# Allegro board reComputer J401_V1.0.brd (continued)
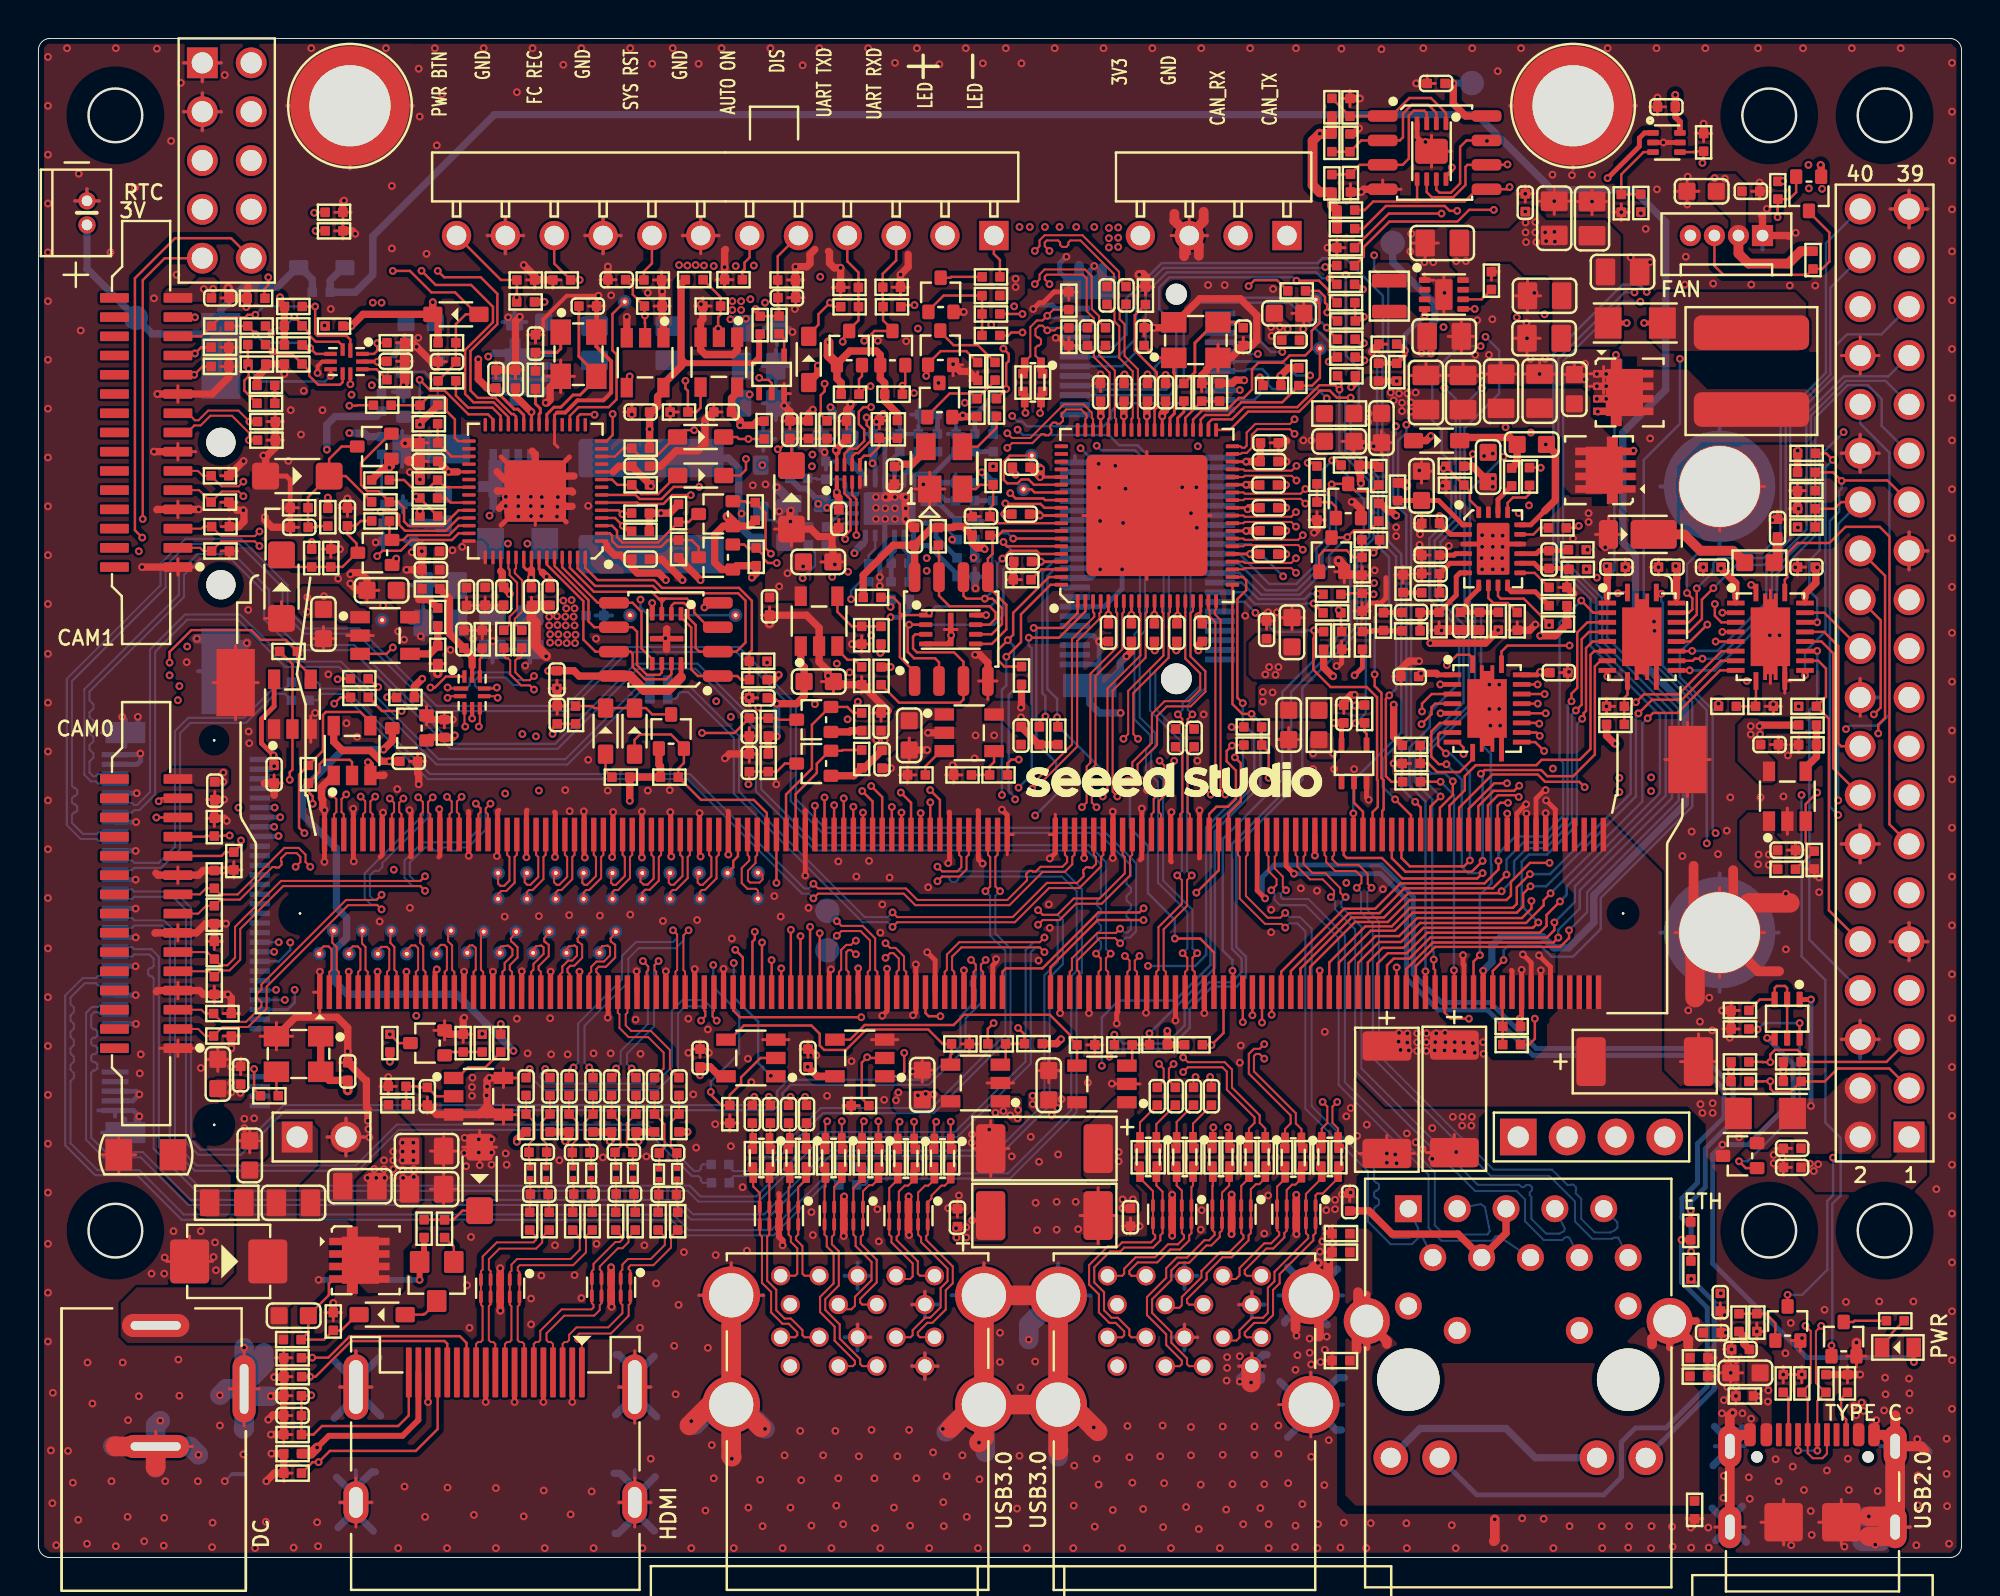
[diagram p0: board, top side]
## Copper pours and planes (outline as drawn; the poured copper is in the pictures) (continued)
GND on TOP: 21.81,18.4 20.69,18.4 20.31,18.78 20.31,22.21 19.95,22.56 19.95,23.32 20.21,23.58 20.61,23.58 20.89,23.3 22.21,23.3 22.34,23.43 22.34,24.87 22.75,25.28 23.41,25.28 23.68,25 23.68,22 24.88,20.81 24.88,20.45 24.65,20.23 22.39,20.23 22.03,19.87 22.03,18.63
GND on TOP: 64.91,58.22 64.4,58.22 64.22,58.05 64.22,56.9 64.35,56.78 64.99,56.78 65.11,56.9 65.11,58.02
GND on TOP: 48.2,17.94 47.26,17.94 47.1,18.09 47.1,18.57 48.02,19.49 48.02,23.02 48.27,23.27 48.27,24.01 48.02,24.26 47.13,24.26 46.72,24.67 42.68,24.67 42.35,25 42.35,27.36 42.63,27.64 45.88,27.64 46.58,26.94 46.58,25.47 46.85,25.2 48.98,25.2 49.21,24.98 50.66,24.98 50.86,25.18 50.86,26.12 50.99,26.25 51.68,26.25 51.83,26.4 51.83,27.08 51.9,27.16 52.36,27.16 52.49,27.03 52.49,26.47 53.2,25.76 53.2,25.33 53.4,25.13 55.82,25.13 56.02,24.92 56.91,24.92 57.06,24.77 57.06,24.44 56.96,24.34 53.4,24.34 53.15,24.59 51.29,24.59 51.07,24.37 49.42,24.37 49.34,24.29 49.34,22.97 50.15,22.16 52.41,22.16 53.43,21.14 53.43,19.87 54.29,19.01 55.51,19.01 55.82,18.7 55.82,17.94 56.07,17.69 57.39,17.69 57.52,17.56 57.52,17.1 57.21,16.8 51.73,16.8 51.5,17.03 51.5,19.11 50.81,19.79 49.11,19.79 48.4,19.08 48.4,18.14
GND on TOP: 67.83,51.34 69.2,51.34 69.35,51.49 69.35,52.03 69.71,52.38 70.19,52.38 70.45,52.64 70.45,53.7 70.65,53.91 71.92,53.91 72.17,53.65 72.17,53.42 72.3,53.3 73.04,53.3 73.37,52.97 73.77,52.97 73.93,52.81 77.36,52.81 77.61,53.07 77.99,53.07 78.12,53.19 80.15,53.19 80.45,53.5 80.45,54.54 80.63,54.72 81.67,54.72 82.05,54.34 82.05,52.48 81.83,52.26 81.42,52.26 80.86,52.81 78.37,52.81 78.14,52.59 73.9,52.59 73.8,52.48 72.3,52.48 72.17,52.36 72.17,51.06 71.97,50.86 70.62,50.86 70.37,50.6 67.8,50.6 67.6,50.81 67.6,51.11
GND on TOP: 88.4,2.27 89.27,3.13 89.27,4.17 89.45,4.35 95.8,4.35 96.58,5.14 96.58,6.03 96.99,6.43 99.55,6.43 99.73,6.26 99.73,0.54 99.45,0.26 8.93,0.26 8.7,0.49 8.7,1.81 9.11,2.22 14.52,2.22 14.72,2.42 14.72,3.66 15.3,4.25 30.42,4.25 34.58,8.41 36.92,8.41 38.04,7.3 47.05,7.3 48.25,8.49 48.25,13.14 49.8,14.69 52.95,14.69 54.29,13.34 54.29,8.21 55.21,7.3 63.39,7.3 64.96,8.87 64.96,14.21 66.99,16.24 66.99,16.92 67.14,17.08 67.4,17.08 67.53,16.95 67.53,2.73 67.98,2.27
GND on TOP: 21.81,49.56 21.98,49.74 24.24,49.74 24.4,49.59 24.4,49.31 23.61,48.52 23.61,48.01 23.43,47.84 22.92,47.84 22.69,47.61 22.41,47.61 21.81,48.22
GND on TOP: 74.64,20.28 74.89,20.53 74.89,22.97 74.71,23.15 69.63,23.15 69.13,23.65 68.21,23.65 67.78,23.22 67.78,22.77 68.24,22.31 68.24,20.45 68.41,20.28
GND on TOP: 28.38,52.64 23.74,52.64 23.02,53.35 23.02,57.89 23.13,58 27.67,58 28.18,57.49 28.18,55.53 28.76,54.95 28.76,53.02 ; 1 cut-out
GND on TOP: 65.75,48.45 63.66,48.45 63.39,48.72 63.39,49.64 63.72,49.97 65.54,49.97 65.9,49.61 65.9,48.6
GND on TOP: 65.65,42.86 64.71,42.86 64.43,42.58 64.43,40.57 64.68,40.32 66.69,40.32 67.17,40.8 68.85,40.8 68.95,40.7 68.95,39.45 69.05,39.35 69.25,39.35 69.38,39.48 69.38,41.18 69.23,41.33 65.98,41.33 65.8,41.51 65.8,42.7
GND on TOP: 16.17,51.44 16.04,51.32 16.04,50.4 16.52,49.92 16.75,49.92 17.41,49.26 17.41,48.34 17.31,48.24 15.66,48.24 15.51,48.39 14.03,48.39 12.92,49.51 12.33,49.51 11.75,50.1 11.75,51.57 10.76,52.56 9.84,52.56 9.71,52.43 9.71,52.08 9.33,51.7 6.57,51.7 6.21,51.34 6.21,41.49 6.46,41.23 11.57,41.23 12.46,42.12 15.35,42.12 15.56,41.92 15.56,41.79 15.66,41.69 15.89,41.69 16.27,42.07 16.27,43.72 16.04,43.95 15.25,43.95 14.79,44.41 14.79,45.5 16.04,46.74 16.04,47.53 16.17,47.66 17.31,47.66 17.46,47.51 19.93,47.51 20.1,47.68 20.1,48.19 19.98,48.32 18.86,48.32 18.48,48.7 18.48,49.38 18.12,49.74 17.72,49.74 17.49,49.97 17.49,50.73 17.67,50.91 20.03,50.91 20.21,51.09 20.21,52.56 20,52.76 19.6,52.76 18.94,52.1 18.94,51.37 18.76,51.19 17.89,51.19 17.64,51.44
GND on TOP: 65.34,63.13 65.34,65.23 64.96,65.62 63,65.62 62.65,65.97 57.7,65.97 56.93,66.73 56.93,67.39 56.55,67.77 56.55,67.83 56.98,67.83 57.04,67.77 58.56,67.77 59.09,68.31 59.09,68.89 59.42,69.22 60.21,69.22 60.57,68.87 60.57,68.08 60.87,67.77 65.67,67.77 65.7,67.75 65.7,67.65 65.11,67.06 65.11,66.48 66.18,65.41 66.18,64.07 65.93,63.81 65.93,63.1 65.82,63 65.47,63
GND on TOP: 81.57,78.72 77.66,78.72 76.47,77.53 76.47,71 76.8,70.67 77.63,70.67 78.35,69.96 81.47,69.96 82.59,68.84 82.59,67.19 82.87,66.91 84.82,66.91 85.15,67.24 85.15,69.07 86.12,70.04 86.12,72.09 85.81,72.4 84.16,72.4 83.78,72.02 83.78,69.58 83.65,69.45 83.04,69.45 82.92,69.58 82.92,70.09 82.82,70.19 82.08,70.19 81.88,70.39 81.88,73.01 83.12,74.25 83.12,77.17
GND on TOP: 95.49,9.41 95.82,9.74 97.62,9.74 97.73,9.63 97.73,7.75 97.37,7.4 96.07,7.4 95.74,7.07 95.74,5.98 95.62,5.85 95.31,5.85 95.16,6 95.16,7.25 95.49,7.58
GND on TOP: 90.49,21.5 90.89,21.5 91.05,21.34 91.05,20.12 90.92,20 90.16,20 90,20.15 90,21.01
GND on TOP: 45.3,40.29 43.88,40.29 43.62,40.55 43.62,41.13 43.78,41.28 44.41,41.28 44.82,41.69 44.82,42.32 44.92,42.43 45.5,42.43 46.27,43.19 50.2,43.19 50.86,42.53 51.24,42.53 51.35,42.43 51.35,42.07 51.27,41.99 50.69,41.99 50.25,42.43 49.01,42.43 48.88,42.3 48.88,41.43 48.65,41.21 48.07,41.21 47.84,40.98 47.84,40.39 47.64,40.19 47.28,40.19 47.13,40.34 47.13,41.21 47.41,41.49 47.66,41.49 47.79,41.61 47.79,42.48 47.69,42.58 46.54,42.58 46.44,42.48 46.44,41.89 45.45,40.9 45.45,40.44
GND on TOP: 89.93,71.74 89.45,71.74 89.27,71.56 89.27,68.61 89.52,68.36 89.9,68.36 90.11,68.56 90.11,71.56
GND on TOP: 88.51,8.03 88.51,10.24 88.3,10.45 88.3,11.01 87.97,11.34 87.97,12.89 87.79,13.06 87.39,13.06 87.26,12.94 87.26,11.28 86.58,10.6 86.58,9.2 86.75,9.02 87.06,9.02 87.34,8.74 87.34,7.4 87.49,7.25 88.43,7.25 88.71,6.97 88.71,5.95 88.79,5.87 89.19,5.87 89.29,5.98 89.29,7.25
GND on TOP: 12.71,59.24 12.2,59.24 12.08,59.11 12.08,57.84 11.77,57.54 10.81,57.54 10.32,57.06 10.32,56.65 10.43,56.55 10.96,56.55 11.09,56.42 11.09,54.95 10.58,54.44 10.58,53.91 10.68,53.8 10.86,53.8 11.06,54.01 11.67,54.01 12.18,53.5 13.07,53.5 13.35,53.78 13.35,57.77 13.52,57.94 14.13,57.94 14.21,58.02 14.21,58.58 14.06,58.73 12.97,58.73 12.81,58.88 12.81,59.14
GND on TOP: 68.36,17.86 67.37,17.86 67.2,18.04 67.2,18.73 67.53,19.06 68.29,19.06 68.52,18.83 68.52,18.02
GND on TOP: 14.03,78.72 19.42,78.72 20.23,77.91 20.23,73.62 18.71,72.09 13.8,72.09 12.66,73.24 12.66,77.35
GND on TOP: 78.65,30.28 76.54,30.28 76.42,30.41 76.42,31.4 76.59,31.58 78.5,31.58 78.75,31.33 78.75,30.39
GND on BOTTOM: 78.65,41.49 77.38,41.49 77.13,41.23 77.13,38.03 77.3,37.85 78.47,37.85 78.98,38.36 78.98,41.16
GND on BOTTOM: 45.99,58.15 43.14,58.15 42.91,58.38 42.91,59.8 42.58,60.13 41.03,60.13 40.83,59.93 40.83,59.11 41.16,58.78 41.16,57 41.03,56.88 40.17,56.88 39.97,57.08 39.97,58.68 39.69,58.96 38.54,58.96 38.16,58.58 38.16,57.74 37.99,57.56 36.79,57.56 36.61,57.74 36.61,58.33 37.76,59.47 37.76,67.57 37.38,67.95 33.31,67.95 32.75,67.39 32.75,65.41 33.49,64.68 33.49,63.91 33.18,63.61 32.04,63.61 30.64,65.01 25.51,65.01 25.16,64.65 25.16,63.84 24.65,63.33 22.06,63.33 21.58,63.81 21.58,71.58 24.02,74.02 47.36,74.02 48.75,72.63 48.75,67.9 49.24,67.42 55.28,67.42 55.69,67.01 55.69,65.84 55.49,65.64 52.46,65.64 52.08,65.26 52.08,61.35 51.65,60.92 48.4,60.92 47.61,60.13 47.61,59.32 48.02,58.91 48.02,58.45 47.87,58.3 47.38,58.3 47.23,58.45 47.23,59.72 47.03,59.93 46.24,59.93 46.06,59.75 46.06,58.22
GND on BOTTOM: 89.55,58.94 85.97,58.94 84.24,57.21 84.24,54.31 86.09,52.46 89.65,52.46 90.82,53.63 90.82,57.67
GND on BOTTOM: 65.75,16.44 51.85,16.44 51.4,16.9 51.4,19.18 58.33,26.12 59.35,26.12 60.26,27.03 60.26,28.38 60.95,29.06 64.68,29.06 64.99,28.76 64.99,22.16 66.61,20.53 66.61,17.3
GND on BOTTOM: 10.48,48.27 8.14,48.27 6.62,46.74 6.62,44.79 7.35,44.05 10.38,44.05 11.42,45.09 11.42,47.33
GND on BOTTOM: 24.12,54.01 24.22,53.91 27.14,53.91 27.34,54.11 27.34,55.4 27.16,55.58 24.29,55.58 24.12,55.4
GND on BOTTOM: 11.01,12.68 4.36,6.03 4.36,5.09 5.8,3.64 13.75,3.64 13.96,3.84 13.96,7.37 13.78,7.55 13.78,16.72 13.63,16.87 11.29,16.87 11.01,16.59
GND on BOTTOM: 5.27,41.69 3.44,41.69 3.31,41.82 3.31,43.77 3.54,44 5.22,44 5.42,43.8 5.42,41.84
GND on BOTTOM: 54.67,52.59 55,52.59 55.97,51.62 56.35,51.62 56.58,51.39 56.58,43.09 56.37,42.88 54.42,42.88 53.61,43.7 53.61,45.65 53.86,45.91 54.62,45.91 54.7,45.98 54.7,52.28 54.67,52.31 54.62,52.31 54.62,52.53
GND on BOTTOM: 4.61,23.3 3.49,23.3 3.36,23.17 3.36,21.88 3.59,21.65 5.14,21.65 5.5,22 5.5,29.32 5.35,29.47 4.79,29.47 4.69,29.37 4.69,27.85 3.57,27.85 3.47,27.74 3.47,27.57 4.69,26.35 4.69,23.38
GND on BOTTOM: 17.97,78.72 14.06,78.72 12.87,77.53 12.87,74.18 14.87,72.17 17.44,72.17 19.52,74.25 19.52,77.17
GND on BOTTOM: 60.46,56.01 59.45,56.01 59.24,55.81 59.24,54.69 60.06,53.88 60.06,53.55 60.21,53.4 60.44,53.4 60.64,53.6 60.64,55.84
GND on BOTTOM: 20.26,53.09 19.32,53.09 19.14,53.27 19.14,53.96 19.95,54.77 19.95,56.27 19.54,56.67 19.54,58.48 19.42,58.61 18.73,58.61 18.66,58.53 18.66,54.52 18.38,54.24 18.38,53.22 18.25,53.09 15.84,53.09 15.38,52.64 15.38,50.15 19.77,45.75 21.75,45.75 22.14,46.13 28.84,46.13 30.29,47.58 37.73,47.58 40.75,44.56 44.21,44.56 44.64,44.99 44.64,47.89 43.19,49.33 37.5,49.33 36.82,48.65 30.49,48.65 30.29,48.85 30.29,49.69 30.14,49.84 29.5,49.84 29.2,49.54 29.2,48.7 28.89,48.39 28.89,47.25 28.64,47 26.5,47 25.74,47.76 20.76,47.76 20.69,47.84 20.69,52.66
GND on BOTTOM, GND02, LAY3, LAY4: 81.57,78.72 77.66,78.72 76.47,77.53 76.47,74.18 78.47,72.17 81.04,72.17 83.12,74.25 83.12,77.17
GND on BOTTOM, GND02, LAY3, LAY4: 88.81,35.72 85.91,35.72 84.06,33.87 84.06,31.17 85.94,29.29 88.84,29.29 90.66,31.12 90.66,33.87
GND on GND02: 0.49,78.72 99.48,78.72 99.73,78.47 99.73,0.54 99.45,0.26 0.6,0.26 0.29,0.57 0.29,78.52 ; 1 cut-out
GND on GND02, LAY4: 90.16,59.7 86.14,59.7 84.21,57.77 84.21,53.37 85.41,52.18 89.78,52.18 91.1,53.5 91.1,58.76
GND on GND02, PWR05: 14.03,78.72 19.42,78.72 20.23,77.91 20.23,73.62 18.91,72.3 13.6,72.3 12.66,73.24 12.66,77.35
GND on LAY3: 70.09,36.81 66.41,36.81 63.89,34.3 63.89,33.03 66.61,30.31 69.25,30.31 70.29,31.35 70.29,36.61
GND on LAY3: 60.24,69.43 58.81,69.43 56.96,67.57 56.96,65.72 58.33,64.35 58.33,62.59 58.89,62.03 62.12,62.03 62.7,62.62 62.7,66.96
GND on LAY3: 33.54,39.28 28.43,39.28 28.13,38.97 28.13,33.84 28.33,33.64 33.87,33.64 34.56,34.32 34.56,38.26
GND on LAY3: 11.34,10.83 1.74,10.83 1.03,11.54 0.49,11.54 0.29,11.34 0.29,0.57 0.6,0.26 6.87,0.26 7.07,0.46 7.07,2.83 7.89,3.64 12.31,3.64 12.56,3.89 12.56,9.61
GND on LAY3: 88.51,58.4 86.17,58.4 84.31,56.55 84.31,53.96 85.79,52.48 88.71,52.48 90.23,54.01 90.23,56.67
GND on LAY3: 55.54,57.06 53.66,57.06 53.43,56.83 53.43,55.76 51.6,53.93 51.6,45.65 53.68,43.57 56.4,43.57 56.68,43.85 56.68,55.91
GND on LAY3: 20.38,78.72 14.19,78.72 12.74,77.27 12.74,73.69 13.19,73.24 21.02,73.24 22.26,74.48 22.26,76.84
GND on LAY4: 14.03,78.72 19.42,78.72 20.23,77.91 20.23,73.62 18.73,72.12 13.78,72.12 12.66,73.24 12.66,77.35
GND on PWR05: 82.46,78.72 77.38,78.72 76.26,77.6 76.26,74.53 78.14,72.65 83.76,72.65 84.11,73.01 84.11,77.07
GND on PWR05: 0.49,78.72 99.48,78.72 99.73,78.47 99.73,0.54 99.45,0.26 0.6,0.26 0.29,0.57 0.29,16.01 0.49,16.21 39.2,16.21 41.11,18.12 66.2,18.12 70.22,14.1 84.04,14.1 89.06,19.13 93.92,19.13 99.15,24.37 99.15,58.05 98.82,58.38 91.71,58.38 91.17,58.91 91.17,66.45 89.37,68.26 89.37,71.2 87.92,72.65 78.32,72.65 73.6,77.38 26.4,77.38 24.88,75.85 24.88,61.78 25.69,60.97 32.22,60.97 32.65,60.54 32.65,54.19 32.52,54.06 23.91,54.06 21.63,51.77 18.17,51.77 18.07,51.87 18.07,61.93 18.5,62.36 18.5,65.89 17.89,66.5 0.72,66.5 0.29,66.94 0.29,78.52
VDD_1V05 on TOP: 69.61,65.08 71.13,65.08 71.97,64.24 72.48,64.24 72.66,64.07 72.66,62.52 72.53,62.39 71.51,62.39 71.41,62.49 71.41,62.95 70.9,63.46 69.66,63.46 69.46,63.66 69.46,64.93
VDD_1V05 on TOP: 67.98,59.9 67.98,59.06 68.19,58.86 70.12,58.86 70.34,59.09 70.34,59.85 69.91,60.28 69.91,60.81 70.04,60.94 70.75,60.94 70.88,61.07 70.88,61.35 70.8,61.42 69.1,61.42 68.49,60.81 68.49,60.41
VDD_1V05 on PWR05: 72.58,62.87 69.2,62.87 68.8,62.47 68.8,58.88 69.02,58.66 69.96,58.66 70.12,58.81 70.12,60.69 70.32,60.89 72.43,60.89 72.71,61.17 72.71,62.75
VDD_1V05_HUB on TOP: 67.02,57.56 67.3,57.84 67.3,59.57 66.97,59.9 66.36,59.9 65.77,59.32 65.77,58.43 65.47,58.12 65.47,57.69 65.59,57.56
VDD_1V05_HUB on BOTTOM: 62.52,57.26 62.52,53.27 62.75,53.04 64.35,53.04 64.66,53.35 64.66,56.47 65.42,57.23 66.41,57.23 66.66,57.49 66.66,59.39 66.65,59.41 66.65,59.99 66.26,60.38 63.74,60.38 62.75,59.39 59.42,59.39 59.12,59.7 56.32,59.7 56.12,59.49 56.12,58.5 56.4,58.22 57.09,58.22 57.77,57.54 62.24,57.54
VDD_1V05_HUB on LAY4: 54.6,48.75 59.35,48.75 59.55,48.95 59.55,49.54 63.08,53.07 63.08,54.62 62.98,54.72 52.06,54.72 51.68,54.34 51.68,52.84 53.78,50.73 53.78,49.56
VDD_1V8 on TOP: 90.23,40.37 90.23,41.49 89.72,41.99 89.72,43.31 89.39,43.64 88.71,43.64 88.35,43.29 88.35,41.43 89.5,40.29 90.16,40.29
VDD_1V8 on TOP: 49.97,65.39 50.96,65.39 51.29,65.72 51.29,66.58 51.17,66.71 50.61,66.71 50.46,66.56 50.46,66.33 50.3,66.17 49.97,66.17 49.8,66 49.8,65.56
VDD_1V8 on LAY3: 81.55,44.53 82.41,45.4 82.41,50.38 82.05,50.73 81.57,50.73 81.29,51.01 81.29,51.82 81.62,52.15 88.99,52.15 90.54,53.7 90.54,71.94 91.25,72.65 93.18,72.65 93.94,71.89 93.94,43.11 89.7,38.87 82.18,38.87 81.55,39.5
VDD_1V8 on LAY4: 51.07,65.82 49.16,65.82 48.44,66.54 45.92,66.54 45.27,67.19 45.27,71.89 50.51,77.12 75.25,77.12 75.83,76.54 75.83,73.49 77.41,71.91 81.37,71.91 83.78,74.33 83.78,76.23 84.16,76.61 87.18,76.61 87.44,76.36 87.44,73.92 88.71,72.65 92.93,72.65 93.26,72.32 93.26,70.39 92.87,70.01 76.24,70.01 74.17,72.08 73.38,72.08 71.61,73.85 51.27,73.85 50.53,73.11 50.53,67.5 51.35,66.68 51.35,66.1
VDD_1V8 on LAY4: 67.14,43.11 66.84,43.42 66.84,46.11 67.09,46.36 68.52,46.36 70.01,47.86 70.78,47.86 72.12,49.21 74.51,49.21 77.51,46.21 77.51,41.97 78.7,40.77 84.14,40.77 84.39,40.52 84.39,39.02 82.89,37.52 74.89,37.52 73.49,38.92 73.49,46.59 73.29,46.79 72.61,46.79 72.28,46.46 72.28,45.85 69.53,43.11
VDD_3V3_DISCHG on BOTTOM: 20.99,64.55 20.46,64.55 20.26,64.35 20.26,62.16 20.43,61.98 21.02,61.98 21.17,62.14 21.17,64.37
VDD_3V3_HDMI on TOP: 47.41,44.2 44.69,44.2 44.46,43.97 44.46,43.64 44.11,43.29 42.73,43.29 42.58,43.14 42.58,42.7 42.73,42.55 43.19,42.55 43.45,42.3 43.45,41.92 43.62,41.74 44.28,41.74 44.59,42.04 44.59,42.73 44.97,43.11 45.83,43.11 46.27,43.54 47.38,43.54 47.59,43.75 47.59,44.03
VDD_3V3_HUB on TOP: 66.76,45.42 63.56,45.42 63.41,45.27 63.41,44.03 63.79,43.64 66.84,43.64 67.02,43.82 67.02,45.17
VDD_3V3_HUB on BOTTOM: 52.23,51.54 51.5,51.54 51.29,51.75 51.29,55.1 51.55,55.35 51.55,56.62 51.75,56.83 52.56,56.83 52.72,56.67 52.72,52.03
VDD_3V3_HUB on LAY3: 59.45,61.4 63.11,61.4 63.82,60.69 63.82,50.48 64.68,49.61 64.68,44.41 64.4,44.13 62.85,44.13 61.81,45.17 61.81,47.38 60.49,48.7 60.21,48.7 60.11,48.8 60.11,49.11 60.69,49.69 60.69,50.99 60.11,51.57 60.11,57.23 58.23,59.11 58.23,60.18 ; 1 cut-out
VDD_3V3_HUB on LAY4: 62.27,44.84 62.27,44.38 63.46,43.19 64.58,43.19 64.78,43.39 64.78,45.02 64.55,45.24 62.67,45.24
VDD_3V3_HUB on LAY4: 51.96,55.96 57.92,55.96 59.22,57.26 60.34,57.26 60.54,57.46 60.54,59.21 60.21,59.54 58.2,59.54 57.37,58.71 53.3,58.71 51.83,57.23 51.83,56.09
VDD_3V3_SYS on TOP: 65.34,47.78 64.38,47.78 64.2,47.96 63.33,47.96 62.93,47.56 62.93,45.93 63.18,45.68 65.44,45.68 65.57,45.8 65.57,47.56
VDD_3V3_SYS on TOP: 51.55,43.11 51.55,44.23 51.22,44.56 49.67,44.56 49.24,44.13 49.24,43.77 49.49,43.52 50.15,43.52 50.74,42.93 51.37,42.93
VDD_3V3_SYS on TOP: 77.15,70.19 77.76,70.19 78.4,69.55 81.47,69.55 82.28,68.74 82.28,63.23 82.03,62.97 79.21,62.97 78.73,63.46 78.73,66.4 78.45,66.68 77.28,66.68 76.57,67.39 75.3,67.39 75.17,67.27 75.17,65.97 74.99,65.79 73.85,65.79 73.8,65.84 73.8,66.02 73.85,66.07 74.38,66.07 74.41,66.1 74.41,66.28 74.38,66.3 73.88,66.3 73.8,66.38 73.8,66.89 73.49,67.19 73.49,68.79 73.7,68.99 76.49,68.99 77.05,69.55 77.05,70.09
VDD_3V3_SYS on TOP: 10.58,24.9 9.26,24.9 9,24.65 9,24.29 9.54,23.76 10.53,23.76 10.73,23.96 10.73,24.75
VDD_3V3_SYS on TOP: 96.3,20.63 96.63,20.96 96.63,22.44 96.86,22.66 97.95,22.66 98.21,22.41 98.21,19.9 97.32,19.01 92.44,19.01 91.4,20.05 91.4,20.53 91.5,20.63
VDD_3V3_SYS on TOP: 9.77,41.05 6.97,41.05 6.77,40.85 6.77,40.49 7.02,40.24 8.06,40.24 8.22,40.09 9.69,40.09 9.89,40.29 9.89,40.93
VDD_3V3_SYS on TOP: 64.76,63.08 63.99,63.08 63.77,63.3 63.77,64.9 64.02,65.16 64.63,65.16 64.73,65.06 64.73,64.47 65.16,64.04 65.16,63.76 64.91,63.51 64.91,63.23
VDD_3V3_SYS on TOP: 66.31,42.88 67.14,42.88 67.37,42.65 67.37,42.04 67.55,41.87 67.55,41.64 67.42,41.51 66.18,41.51 66.08,41.61 66.08,42.65
VDD_3V3_SYS on TOP: 6.82,65.31 8.98,65.31 9.23,65.56 9.23,65.77 9.31,65.84 9.31,66.4 9.13,66.58 8.34,66.58 7.78,66.02 6.72,66.02 6.57,65.87 6.57,65.56
VDD_3V3_SYS on TOP: 13.93,60.43 13.04,60.43 12.76,60.71 12.76,61.2 12.56,61.4 11.57,61.4 11.47,61.5 11.47,61.7 11.59,61.83 11.59,62.11 11.75,62.26 12.86,62.26 13.02,62.11 13.02,61.93 14.03,60.92 14.03,60.54
VDD_3V3_SYS on TOP: 90.03,38.74 88.89,38.74 88.45,38.31 88.45,36.33 89.24,35.54 90.44,35.54 90.64,35.75 90.64,37.17 90.28,37.52 90.28,38.49
VDD_3V3_SYS on BOTTOM: 19.34,63.91 18.15,63.91 17.18,64.88 17.18,65.31 17.33,65.46 18.12,65.46 18.91,64.68 19.32,64.68 19.47,64.52 19.47,64.04
VDD_3V3_SYS on BOTTOM: 78.7,66.5 73.62,66.5 70.27,69.86 59.85,69.86 57.85,67.85 50.99,67.85 50.58,68.26 50.58,73.57 51.5,74.48 74.56,74.48 79.36,69.68 79.36,67.16
VDD_3V3_SYS on BOTTOM: 62.29,64.07 60.82,64.07 60.74,64.14 60.74,64.27 60.82,64.35 62.24,64.35 62.27,64.37 62.27,64.52 62.24,64.55 60.79,64.55 60.69,64.65 60.69,64.96 60.74,65.01 64.96,65.01 65.32,64.65 65.32,63.28 65.09,63.05 63.89,63.05 63.44,63.51 62.85,63.51
VDD_3V3_SYS on BOTTOM: 13.04,41.94 10.07,41.94 9.77,41.64 9.26,41.64 9.11,41.49 9.11,37.73 9.77,37.07 12.92,37.07 13.32,37.47 13.32,41.66
VDD_3V3_SYS on BOTTOM: 61,46.84 62.24,46.84 62.29,46.9 62.29,47.02 62.27,47.05 60.82,47.05 60.72,47.15 60.72,47.25 60.79,47.33 64.45,47.33 64.63,47.15 64.63,45.75 64.5,45.63 61.68,45.63 60.9,46.41 60.9,46.74
VDD_3V3_SYS on BOTTOM: 11.77,24.62 10.98,24.62 10.65,24.95 9.77,24.95 9.61,24.8 9.61,23.76 10.25,23.12 11.77,23.12 11.92,23.27 11.92,23.55 11.85,23.63 11.01,23.63 10.98,23.65 10.98,23.86 11.01,23.88 11.82,23.88 11.9,23.96 11.9,24.06 11.82,24.14 11.01,24.14 10.98,24.16 10.98,24.34 11.01,24.37 11.77,24.37 11.85,24.44 11.85,24.54
VDD_3V3_SYS on LAY4: 62.17,46.77 64.5,46.77 64.71,46.57 64.71,45.85 64.48,45.63 62.09,45.63 61.91,45.8 61.91,46.51
VDD_3V3_SYS on LAY4: 70.32,67.85 51.12,67.85 50.79,68.18 50.79,73.01 51.37,73.59 71.51,73.59 73.27,71.84 74.03,71.84 76.16,69.7 79.11,69.7 79.39,69.43 79.39,67.55 79.08,67.24 70.93,67.24
VDD_3V3_SYS on PWR05: 58.28,69.43 56.35,69.43 56.17,69.25 56.17,68 56.63,67.55 58.25,67.55 58.51,67.8 58.51,69.2
VDD_3V3_SYS on PWR05: 1.03,65.31 1.03,20.91 2.27,19.67 5.04,19.67 6.62,18.09 6.62,16.87 7.02,16.47 39.05,16.47 41.03,18.45 66.48,18.45 70.4,14.54 83.78,14.54 88.79,19.54 93.26,19.54 98.89,25.18 98.89,57.41 98.26,58.05 91.38,58.05 91.17,57.84 91.17,48.29 88.58,45.7 88.58,26.5 87.44,25.36 71.16,25.36 70.07,26.45 70.07,48.7 70.94,49.58 70.94,55.19 68.49,57.64 68.49,65.79 64.86,69.43 50.43,69.43 49.36,68.36 49.36,61.7 48.91,61.25 48.91,49.38 48.37,48.85 44.39,48.85 43.12,47.58 30.37,47.58 28.94,46.16 19.11,46.16 16.83,48.45 14.13,48.45 13.42,49.16 13.42,57.89 13.8,58.27 17.33,58.27 17.74,58.68 17.74,61.98 18.2,62.44 18.2,65.62 17.56,66.25 1.97,66.25
VDD_5V_GPIO on TOP: 92.93,23.88 90.51,23.88 90.39,23.76 90.39,23.15 89.01,21.78 89.01,21.37 89.17,21.22 89.9,21.22 90.54,21.85 91.22,21.85 91.43,21.65 91.43,21.27 91.71,20.99 95.21,20.99 95.67,21.44 95.67,24.59 95.31,24.95 93.99,24.95
VDD_5V_SYS on TOP: 39.64,49.77 38.01,49.77 37.78,49.99 37.78,51.16 38.82,52.2 39.94,52.2 40.19,51.95 40.19,50.86 39.89,50.55 39.89,50.02
VDD_5V_SYS on TOP: 46.7,24.26 44.54,24.26 44.44,24.16 44.44,23.38 44.64,23.17 47.76,23.17 47.94,23.35 47.94,23.88 47.79,24.04 46.93,24.04
VDD_5V_SYS on TOP: 88.79,68.64 88.79,71.41 88.23,71.97 87.08,71.97 86.88,71.76 86.88,70.7 88,69.58 88,68.66 88.2,68.46 88.61,68.46
VDD_5V_SYS on TOP: 17.06,48.6 15.68,48.6 15.43,48.85 13.78,48.85 13.5,49.13 13.5,50.27 13.73,50.5 15.58,50.5 16.73,49.36 16.95,49.36 17.18,49.13 17.18,48.72
VDD_5V_SYS on TOP: 53.07,24.21 51.55,24.21 51.45,24.11 51.45,23.4 52.03,22.82 54.22,22.82 54.5,23.1 54.5,23.83 54.34,23.98 53.3,23.98
VDD_5V_SYS on TOP: 81.34,38.46 81.6,38.46 84.42,35.64 84.42,25.31 85.33,24.39 87.08,24.39 87.54,23.93 88.66,23.93 89.04,23.55 89.04,22.13 88.99,22.13 88.71,21.85 88.71,21.37 87.92,20.58 86.98,20.58 86.7,20.86 86.7,22.51 85.76,23.45 70.04,23.45 68.52,24.98 68.52,27.34 68.69,27.52 75.2,27.52 75.35,27.36 75.35,26.12 75.6,25.86 77.71,25.86 78.45,26.6 78.45,27.72 78.57,27.85 78.57,28.02 79.01,28.46 79.01,31.35 79.84,32.19 79.84,34.53 79.26,35.11 79.26,38.44 79.29,38.46 79.49,38.46 79.51,38.44 79.51,36.71 79.54,36.68 79.72,36.68 79.74,36.71 79.74,38.44 79.77,38.46 79.95,38.46 80,38.41 80,36.71 80.02,36.68 80.23,36.68 80.25,36.71 80.25,38.41 80.3,38.46 80.43,38.46 80.5,38.39 80.5,36.71 80.53,36.68 80.73,36.68 80.76,36.71 80.76,38.41 80.78,38.44 80.96,38.44 81.01,38.39 81.01,36.71 81.04,36.68 81.22,36.68 81.24,36.71 81.24,38.36
VDD_5V_SYS on BOTTOM: 24.19,51.9 24.19,53.35 23.99,53.55 22.69,53.55 22.44,53.3 22.44,51.87 22.31,51.75 21.35,51.75 20.89,51.29 20.89,48.09 21.02,47.96 26.22,47.96 26.38,47.81 26.38,47.45 26.58,47.25 28.51,47.25 28.66,47.4 28.66,49.77 28.23,50.2 27.42,50.2 26.91,50.71 25.39,50.71
VDD_5V_SYS on BOTTOM: 86.98,22.71 86.14,22.71 85.46,23.4 76.69,23.4 74.54,25.56 71.39,25.56 70.55,26.4 70.55,27.49 70.88,27.82 75.73,27.82 77.69,25.86 85.69,25.86 87.34,24.21 87.34,23.07
VDD_5V_SYS on GND02: 27.98,48.8 26.38,48.8 26.22,48.65 26.22,46.64 26.35,46.51 28,46.51 28.13,46.64 28.13,48.65
VDD_5V_SYS on GND02: 70.57,26.27 70.8,26.04 75.27,26.04 75.4,26.17 75.4,27.16 75.07,27.49 70.7,27.49 70.57,27.36
VDD_5V_SYS on GND02: 38.87,51.65 38.16,51.65 37.71,51.19 37.71,50.6 38.52,49.79 38.92,49.79 39.28,50.15 39.28,51.24
VDD_5V_SYS on LAY4: 48.22,23.6 47.87,23.25 44.56,23.25 44.36,23.45 44.36,24.82 44.61,25.08 63.54,25.08 66.03,27.57 73.16,27.57 73.72,27.01 85.33,27.01 87.44,24.9 88.35,24.9 88.73,24.52 88.73,21.24 88.3,20.81 87.03,20.81 86.8,21.04 86.8,22.41 85.76,23.45 72.68,23.45 70.9,21.67 53.15,21.67 51.22,23.6
VDD_5V_SYS on PWR05: 78.22,71.91 88.15,71.91 89.04,71.03 89.04,67.95 90.87,66.12 90.87,48.47 88.33,45.93 88.33,26.68 87.29,25.64 71.26,25.64 70.32,26.58 70.32,48.5 71.26,49.44 71.26,55.3 70.9,55.66 70.9,55.89 71.13,56.12 72.43,56.12 73.44,55.1 75.88,55.1 76.16,55.38 76.16,59.8 72.76,63.2 69.35,63.2 68.8,63.76 68.8,66.1 64.96,69.93 49.75,69.93 48.96,69.15 48.96,62.03 48.48,61.55 48.48,49.87 47.84,49.23 44.16,49.23 42.76,47.84 30.24,47.84 28.82,46.41 19.19,46.41 16.98,48.62 14.19,48.62 13.65,49.16 13.65,57.67 14.03,58.05 17.44,58.05 17.79,57.69 17.79,51.85 18.05,51.59 21.75,51.59 23.96,53.8 32.7,53.8 33.03,54.13 33.03,60.76 32.37,61.42 25.79,61.42 25.34,61.88 25.34,75.9 26.61,77.17 72.96,77.17
VDD_DCIN on TOP: 75.27,54.21 75.27,54.67 74.89,55.05 74.89,55.91 75.09,56.12 75.65,56.12 75.83,55.94 75.83,55.33 75.7,55.2 75.7,54.87 75.5,54.67 75.5,54.19 75.42,54.11 75.37,54.11
VDD_DCIN on TOP: 16.52,19.57 17.82,20.86 17.82,23.63 17.94,23.76 18.33,23.76 18.43,23.65 18.43,23.32 19.95,21.8 19.95,18.57 19.42,18.04 19.42,16.42 18.99,15.98 18.99,13.98 18.76,13.75 17.13,13.75 16.52,14.36
VDD_DCIN on TOP: 81.72,55.68 81.72,58.33 80.71,59.34 80.71,60.33 80.25,60.79 70.19,60.79 70.07,60.66 70.07,60.33 70.57,59.82 70.57,59.11 70.93,58.76 78.7,58.76 79.29,58.17 79.29,55.71 79.72,55.28 81.32,55.28
VDD_DCIN on BOTTOM: 26.71,64.68 26.17,64.68 25.74,64.24 25.74,63.69 25.08,63.02 25.08,60.41 25.56,59.93 35.32,59.93 35.9,59.34 37.17,59.34 37.43,59.6 37.43,67.42 37.2,67.65 33.46,67.65 33.11,67.29 33.11,65.51 33.97,64.65 33.97,63.58 33.51,63.13 28.26,63.13
VDD_DCIN on GND02: 71.69,60.87 70.24,60.87 70.07,60.69 70.07,60.15 70.83,59.39 71.56,59.39 71.84,59.67 71.84,60.71
VDD_DCIN on LAY3: 40.4,66.96 47.87,66.96 50.76,69.86 63.64,69.86 64.48,69.02 64.48,60.28 65.29,59.47 67.35,59.47 68.52,58.3 72.05,58.3 72.76,59.01 72.76,73.01 70.57,75.19 23.38,75.19 19.98,71.79 1.43,71.79 0.72,71.08 0.72,17.48 1.71,16.49 17.89,16.49 19.77,18.37 19.77,24.75 19.19,25.33 17.26,25.33 5.65,36.94 5.65,62.14 7.1,63.58 11.54,63.58 11.82,63.86 16.73,63.86 18.66,65.79 24.83,65.79 25.11,65.51 25.11,61.75 26.12,60.74 26.12,58.53 28.36,56.29 32.24,56.29 32.78,55.76 32.78,52.76 32.88,52.66 40.02,52.66 41.24,53.88 41.24,54.8 40.75,55.28 39.71,55.28 38.9,56.09 38.9,62.26 40.27,63.63 40.27,66.83
VDD_DCIN on LAY4: 71.92,60.89 69.91,60.89 69.76,60.74 69.76,60.28 70.65,59.39 72.25,59.39 72.4,59.54 72.4,60.41
VDD_DCIN on PWR05: 75.83,55.53 75.83,59.32 74.87,60.28 70.85,60.28 70.6,60.03 70.6,58.35 73.62,55.33 75.63,55.33
VDD_VBUS_A on TOP: 47.69,17.43 48.15,17.43 49.21,18.5 50,18.5 50.28,18.22 50.28,16.64 50.08,16.44 47.61,16.44 47.51,16.54 47.51,17.25
VDD_VBUS_A on TOP: 49.8,24.01 50.99,24.01 51.14,23.86 51.14,22.71 51.04,22.61 50.61,22.61 50.38,22.84 49.8,22.84 49.54,23.1 49.54,23.76
VDD_VBUS_A on LAY4: 48.6,23.43 41.16,15.98 39.05,15.98 38.19,15.12 38.19,9.66 38.95,8.9 44.11,8.9 47,11.79 47,15.09 51.14,19.24 51.14,23.32 51.04,23.43
VDD_VBUS_B on TOP: 55.97,23.88 56.83,23.88 56.98,23.73 56.98,23.02 56.73,22.77 56.73,19.46 57.24,18.96 57.24,18.09 57.09,17.94 56.25,17.94 56.12,18.07 56.12,19.16 55.71,19.57 54.65,19.57 54.34,19.87 54.34,22.26
VDD_VBUS_B on LAY4: 57.06,21.47 55.69,21.47 55,20.78 55,15.25 55.16,15.09 55.16,9.84 55.99,9 60.97,9 61.43,9.46 61.43,14.33 57.72,18.04 57.72,20.81
(no net) on TOP: 0.49,78.72 99.48,78.72 99.73,78.47 99.73,0.54 99.45,0.26 0.6,0.26 0.29,0.57 0.29,78.52 ; 49 cut-outs
(no net) on BOTTOM: 0.49,78.72 99.48,78.72 99.73,78.47 99.73,0.54 99.45,0.26 0.6,0.26 0.29,0.57 0.29,78.52 ; 44 cut-outs
(no net) on LAY3: 99.48,78.72 0.49,78.72 0.29,78.52 0.29,0.57 0.6,0.26 99.45,0.26 99.73,0.54 99.73,78.47 ; 36 cut-outs
(no net) on LAY4: 99.48,78.72 0.49,78.72 0.29,78.52 0.29,0.57 0.6,0.26 99.45,0.26 99.73,0.54 99.73,78.47 ; 50 cut-outs
BBAT_CONN on BOTTOM: 4.66,63.38 4.66,64.27 5.35,64.96 10.58,64.96 11.01,64.52 11.01,60.23 10.6,59.82 8.22,59.82
CGND on TOP: 69.13,17.1 68.06,17.1 67.96,17 67.96,3.23 68.49,2.7 86.14,2.7 86.37,2.93 86.37,8.64 86.12,8.9 86.12,10.73 86.8,11.41 86.8,12.02 85.33,13.49 84.47,13.49 83.78,12.81 83.78,12.43 81.47,10.12 71.69,10.12 70.01,11.79 70.01,12.71 69.35,13.37 69.35,16.87
DCJ_IN on TOP: 4.63,11.16 4.28,11.51 4.28,13.22 5.12,14.05 9.59,14.05 10.3,14.76 10.3,20.15 10.71,20.56 11.75,20.56 12.08,20.89 12.08,22.38 12.36,22.66 14.13,22.66 14.54,22.26 14.54,20.4 13.42,19.29 13.42,17.66 13.58,17.51 16.04,17.51 16.19,17.36 16.19,16.34 16.12,16.26 15.1,16.26 15.07,16.24 15.07,16.01 15.1,15.98 16.12,15.98 16.19,15.91 16.19,15.65 16.14,15.6 15.1,15.6 15.07,15.58 15.07,15.35 15.1,15.32 16.12,15.32 16.17,15.27 16.17,14.97 16.14,14.94 15.1,14.94 14.9,14.74 14.9,13.9 14.24,13.24 13.25,13.24 12.99,12.99 12.99,11.36 12.79,11.16
SW_1V05 on TOP: 72.28,66.07 71.77,66.07 71.69,66.15 71.69,66.89 71.23,67.34 69.66,67.34 69.35,67.04 69.35,66.25 69.56,66.05 71.06,66.05 71.31,65.79 72.28,65.79 72.33,65.84 72.33,66.02
SW_DC1 on BOTTOM: 20.23,55.25 20.23,58.5 21.3,59.57 21.3,61.86 21.6,62.16 24.19,62.16 24.35,62.01 24.35,61.83 24.32,61.81 23.56,61.81 23.53,61.78 23.53,61.53 23.56,61.5 24.32,61.5 24.35,61.48 24.35,61.17 24.32,61.15 23.56,61.15 23.53,61.12 23.53,60.89 23.56,60.87 24.6,60.87 24.68,60.79 24.68,60.41 24.85,60.23 24.85,59.95 25.18,59.62 35.09,59.62 35.55,59.16 35.55,56.83 34.56,55.84 23.33,55.84 22.36,54.87 20.61,54.87
SW_DC2 on TOP: 82.41,55.76 82.28,55.63 82.28,54.64 82.84,54.08 82.84,52.79 83.17,52.46 84.9,52.46 85.2,52.76 85.2,56.73 86.47,58 91.99,58 92.42,58.43 92.42,60.28 91.93,60.76 86.78,60.76 85.76,61.78 82.94,61.78 82.38,61.22 82.38,58.66 83.1,57.94 83.1,57.08 83.07,57.06 82.33,57.06 82.28,57 82.28,56.73 82.31,56.7 83.07,56.7 83.1,56.67 83.1,56.42 83.07,56.4 82.31,56.4 82.28,56.37 82.28,56.09 82.31,56.07 82.33,56.07 82.36,56.04 83.07,56.04 83.1,56.01 83.1,55.79 83.07,55.76
N27061287 on TOP: 94.04,7.53 94.04,7.96 94.27,8.19 94.65,8.19 94.73,8.26 94.98,8.26 95.08,8.16 95.08,7.55 94.93,7.4 94.93,6 94.78,5.85 94.45,5.85 94.37,5.93 94.37,7.2
N27061287 on TOP: 88.86,8.01 89.57,7.3 89.57,6.15 89.67,6.05 89.98,6.05 90.13,6.2 90.13,10.45 89.57,11.01 89.04,11.01 88.86,10.83
N27061287 on BOTTOM: 89.37,8.92 94.65,8.92 95.01,8.57 95.01,6.18 94.65,5.82 89.65,5.82 89.22,6.26 89.22,8.77
N27079470 on TOP: 8.17,21.7 6.64,21.7 6.34,21.39 6.34,20.07 8.72,17.69 9.74,17.69 9.99,17.94 9.99,19.87
N28388966 on BOTTOM: 35.8,53.6 25.97,53.6 25.67,53.3 25.67,51.57 26.15,51.09 26.96,51.09 27.57,50.48 28.46,50.48 28.89,50.05 36,50.05 36.31,50.35 36.31,53.09
N28391410 on TOP: 91.33,65.82 84.19,65.82 83.81,65.44 83.81,63.38 84.44,62.75 91.53,62.75 91.91,63.13 91.91,65.23

## Text on the board
Ref Des/Assembly Bottom: Assembly_Bottom
Ref Des/Silkscreen Bottom: SWCLK | SWDIO | 3V3 | GND | SEL | RX | BOOT | RST | TX | PWM | TACH | VDD5V | 40 | 38 | 36 | 32 | 28 | 26 | 24 | 22 | 18 | 16 | 12 | 10 | 8 | 5V | 37 | 35 | 33 | 31 | 29 | 27 | 23 | 21 | 19 | 15 | 13 | 11 | 7 | 5 | 3 | (DO NOT SHORT) | BAT | POE | 2 | 39 | 1 | DC_IN | PWR BTN | FC REC | SYS RST | AUTO ON | DISABLE | UART TXD | UART RXD | LED | PIN 1 | CAN_RX | CAN_TX | RTC 3V | 5A MAX. | 9V-19V | reComputer J401 V1.0 | + | -
Ref Des/Assembly Top: Assembly_Top
Ref Des/Silkscreen Top: 3V3 | GND | CAN_RX | CAN_TX | PWR BTN | FC REC | SYS RST | AUTO ON | DIS | UART TXD | UART RXD | LED | FAN | 40 | 2 | 39 | 1 | CAM0 | CAM1 | 3V | RTC | ETH | TYPE C | DC | HDMI | USB3.0 | USB2.0 | PWR | + | -
PAGE_OUTLINE: LAYER 6 - SECONDARY SIDE - SIGNAL | LAYER 2 - GROUND PLANE | LAYER 1 - PRIMARY SIDE - SIGNAL | LAYER 4 - SIGNAL | LAYER 5 - POWER PLANE | LAYER 3 - SIGNAL | LAYER# | COPPER WEIGHT | HALF+PLATING | (OZ) | IMPEDANCE CONTROL | +/- 10% | 50ohm SINGLE ENDED | TRACE WIDTH | TRACE WIDTH / SPACE | 85ohm DIFFERENTIAL | 90ohm DIFFERENTIAL | 95ohm DIFFERENTIAL | 1OZ | 1 | 5 | 4.1/4 | 3.1/4.2 | 4.2/6.4 | 3.3/6 | 4/8.8 | LAYER STACK-UP - ALL DIMENSIONS IN INCHES
User.21: CAM0 | CAM1 | DC EN | FAN | 40 | 2 | 1 | 39 | GND | 38 | 36 | 32 | 28 | 26 | 24 | 22 | 18 | 16 | 12 | 10 | 5V | 8 | 37 | 35 | 33 | 31 | 29 | 27 | 23 | 21 | 19 | 15 | 13 | 11 | 7 | 5 | 3 | D34 | J49 | J13 | C322 | D52 | D50 | D58 | D60 | D63 | D56 | D54 | D65 | D66 | D20 | D18 | J48 | D32 | Y1 | D33 | Q506 | U502 | D23 | D24 | L18 | Q53 | D42 | U59 | D28 | D41 | J6 | J39 | D29 | D4 | D44 | U55 | U52 | D48 | C326 | U66 | U67 | C315 | U21 | D6 | L26 | J15 | L24 | U39 | U68 | D7 | J43 | C57 | L38 | U9 | L37 | J18 | U7 | U48 | C342 | J41 | J47 | J38 | C318 | 3V3 | PWR | J25 | U61 | CR501 | U65 | D46 | L501 | L503 | L506 | L504 | D27 | L33 | L35 | U49 | L34 | J32 | L32 | Q32 | Q52 | L10 | L20 | D8 | D9 | J33 | U64 | D5 | U62 | D70 | D69 | U22 | J28 | D39 | D37 | D38 | DS3 | PWR BTN | FC REC | SYS RST | AUTO ON | DIS | UART TXD | UART RXD | LED | J2 | J50 | U27 | U58 | + | -
User.22: uUSB PWR | ADD JUMPER | TO DISABLE | NVIDIA CORPORATION | SANTA CLARA | 2 | 40 | 1 | 39 | D64 | C5 | PWM | TACH | VDD | GND | POE | J45 | D1(ID_SC) | D15(RXD) | D14(TXD) | D21 | D20 | D16 | D12 | D25 | D24 | D23 | D18 | D7 | D8 | 5V | D26 | D19 | D13 | D11 | D10 | 3V3 | D22 | D27 | D17 | D3-SCL | D2-SDA | D6 | D5 | D9 | D4 | PWR BTN | FC REC | SYS RST | AUTO ON | DISABLE | UART TXD | UART RXD | LED | PIN 1 | R-R-NVA-P3450 | NVIDIA | P3450 | MADE IN CHINA | I.T.E. E204896 | Model: P3450 | 180-13449-****-B*1 | CAN ICES-3(B)/NMB-3(B) | D0(ID_SD) | 4A | 5V MAX. | uUSB | 5V 2A | + | -
User.27: FAN | U10 | J16 | D36 | D39 | D37 | D34 | D31 | D29 | D26 | D24 | D25 | D28 | D33 | D38 | D32 | D30 | D27 | Q25 | D16 | C105 | U27 | J18 | U3 | D14 | U9 | U4 | U11 | U8 | Q12 | D2 | Q16 | U23 | D1 | Q15 | J8 | L19 | U7 | D46 | D48 | D49 | U16 | U21 | U25 | U28 | U1 | Q28 | Q29 | J15 | D62 | U24 | U22 | D66 | D41 | J19 | D40 | U18 | U5 | U15 | J5 | U13 | D45 | Q24 | D7 | D6 | DS1 | PWR | PWR BTN | GND | FC REC | SYS RST | AUTO ON | DIS | UART TXD | UART RXD | LED | 3V3 | CAN_RX | CAN_TX | D35 | D18 | D20 | D17 | D3 | D19 | D21 | L16 | L18 | D22 | D23 | L17 | D10 | L15 | L23 | L22 | D8 | L10 | L1 | L20 | L21 | D9 | C157 | C160 | 1 | L26 | L27 | L2 | L24 | D11 | L25 | D12 | L8 | D13 | C147 | D63 | C146 | D5 | C145 | U12 | D42 | D43 | U14 | D44 | 40 | 2 | Q23 | 39 | Y2 | J2 | J6 | Y1 | J7 | J14 | J17 | J13 | J12 | CAM0 | CAM1 | J1 | J9 | + | -
User.28: 00158-19-04076 | CCAI18LP2010T7 | 201-180775 | D180171201 | T | R | SANTA CLARA,CALIFORNIA,USA | CONTAINS IC: 6317A-RTL8822CE | NVIDIA CORPORATION | D64 | IFETEL:RCPRERT18-2159 | PWM | TACH | VDD | GND | D65 | DC_IN | C2D | 2CK | TX | MADE IN CHINA | Model: P3518 | R-C-RTK-RTL8822CE | R-R-NVA-P3518 | CONTAINS FCC ID:TX2-RTL8822CE | 180-13509-****-A*1 | CAN ICES-3(B)/NMB-3(B) | U6 | U19 | D4 | Q7 | Q6 | Q5 | Q4 | L5 | L3 | J10 | PWR BTN | FC REC | SYS RST | AUTO ON | DISABLE | UART TXD | UART RXD | LED | PIN 1 | 3V3 | CAN_RX | CAN_TX | J11 | J3 | L4 | L6 | + | -
User.38: FIGURE | FINISHED_SIZE | 51.18x19.69 | 62.99x27.56 | 102.36x17.72 | 110.24x27.56 | TOOL_SIZE | - | SLOT HOLES: TOP to BOTTOM | ALL UNITS ARE IN MILS | ROTATION | 90.000 | 0.000 | TOLERANCE_DRILL | +0.0/-0.0 | PLATED | QTY | 4 | 2 | 1 | 11 | TOTAL HOLES:
User.39: FIGURE | FINISHED_SIZE | 7.87 | 8.0 | 21.65 | 23.62 | 27.56 | 35.43 | 40.0 | 40.8 | 43.31 | 66.93 | 90.55 | 165.35 | 166.14 | 60.0 | 62.99 | 127.95 | TOOL_SIZE | 0.25 | - | DRILL CHART: TOP to BOTTOM | ALL UNITS ARE IN MILS | ROTATION | TOLERANCE_DRILL | +2.95/-2.95 | +0.0/-0.0 | +3.0/-3.0 | +1.97/-1.97 | PLATED | NON-PLATED | QTY | 47 | 1924 | 2 | 4 | 36 | 14 | 16 | 52 | 8 | 1 | 2129 | TOTAL HOLES:
